# Altium PCB Thermostat_EEM.PCBDOC (part 3 of 10) (continued)
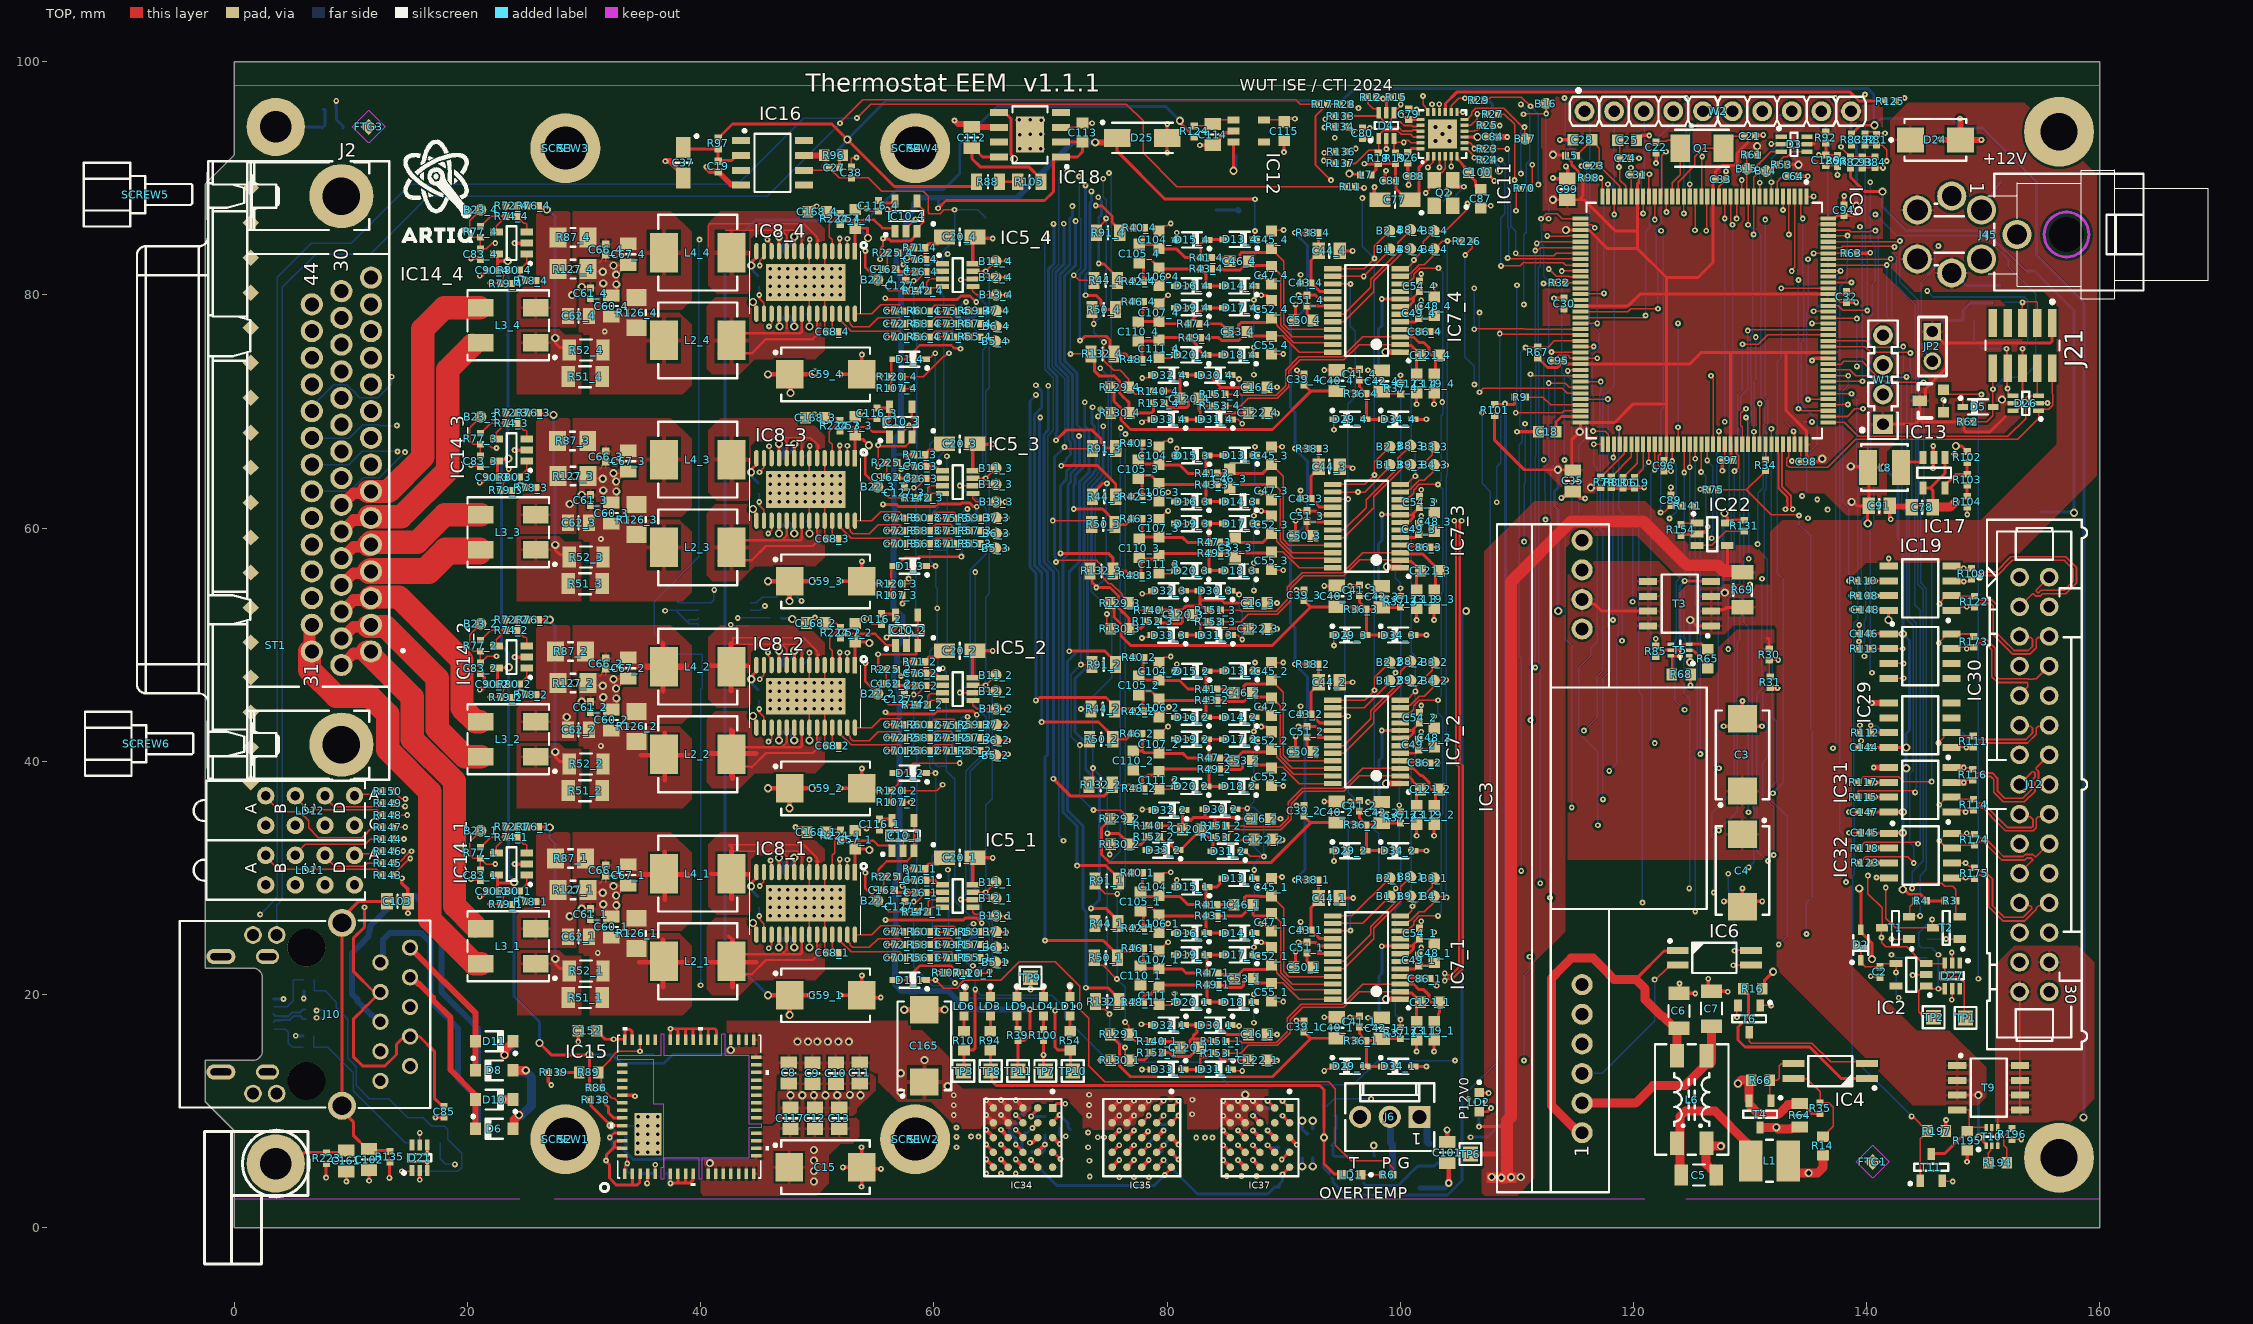
[diagram p0: TOP view]
## Part data (continued)
R51_1 R51_2 R51_3 R51_4 R52_1 R52_2 R52_3 R52_4: library part R1206_0R1_1%_0.25W_100PPM_YAGEO_PT, "Resistor - 1%", Case=1206, Manufacturer="YAGEO PHYCOMP", Manufacturer Part Number=PT1206FR-070R1L, Power=0.25W, Tolerance=±1%, Author="CERN DEM JMW", ComponentHeight=0.65mm, Component Type=Standard, CreateDate=06/07/2015, HelpURL=\\cern.ch\dfs\Applications\Altium\Datasheets\R1206_YAGEO_PT.pdf, LatestRevisionDate=06/07/2015, Mounted=Yes, Part Description="Current Sensor, Low TCR Chip Resistor", Part Number=R1206_0R1_1%_0.25W_100PPM_YAGEO_PT, Pin Count=2, PressFit=No, Sense=No, SMD=Yes, Socket=No, Status=None, TC=±100ppm/°C
R64 R88 R105: library part R0805_10R_1%_0.125W_200PPM, "Resistor - 1%", Case=0805, Manufacturer=GENERIC, Manufacturer1 ComponentHeight=0.6mm, Manufacturer1 Example="NIC COMPONENT", Manufacturer1 Part Number=NRC10F10R0TRF, Power=0.125W, Tolerance=±1%, Author="CERN DEM JLC", Component Type=Standard, CreateDate=03.12.2007, HelpURL=\\cern.ch\dfs\Applications\Altium\Datasheets\R0805_NIC_NRC.pdf, LatestRevisionDate=24.06.2009, Manufacturer Part Number=R0805_10R_1%_0.125W_200PPM, Mounted=Yes, Part Description="General Purpose Thick Film Chip Resistor", Part Number=R0805_10R_1%_0.125W_200PPM, Pin Count=2, PressFit=No, Sense=No, SMD=Yes, Socket=No, Status=Preferred, TC=±200ppm/°C
R69: library part R1206_0R005_1%_1W_100PPM_TT_LRMAM1206, "Resistor - 1%", Case=1206, Manufacturer="TT Electronics", Manufacturer Part Number=LRMAM1206-R005FT5, Power=1W, Tolerance=±1%, Author="CERN DEM BC", Component Type=Standard, ComponentHeight=0.8mm, CreateDate=29.07.2015, HelpURL="\\cern.ch\dfs\Applications\Altium\Datasheets\R1206_TT ELECTRONICS_LRMA.pdf", LatestRevisionDate=29.07.2015, Mounted=Yes, Part Description="Low Value Metal Alloy Resistor", Part Number=R1206_0R005_1%_1W_100PPM_TT_LRMAM1206, Pin Count=2, PressFit=No, Sense=No, SMD=Yes, Socket=No, Status="Not Recommended", TC=±100ppm/°C
R73: library part R0603_24K_1%_0.1W_100PPM, "Resistor - 1%", Case=0603, Manufacturer=GENERIC, Manufacturer1 ComponentHeight=0.55mm, Manufacturer1 Example="NIC COMPONENT", Manufacturer1 Part Number=NRC06F2402TRF, Power=0.1W, Tolerance=±1%, Author="CERN DEM JLC", Component Type=Standard, CreateDate=03.12.2007, HelpURL=\\cern.ch\dfs\Applications\Altium\Datasheets\R0603_NIC_NRC.pdf, LatestRevisionDate=13.03.2008, Manufacturer Part Number=R0603_24K_1%_0.1W_100PPM, Mounted=Yes, Part Description="General Purpose Thick Film Chip Resistor", Part Number=R0603_24K_1%_0.1W_100PPM, Pin Count=2, Sense=No, SMD=Yes, Socket=No, Status=Preferred, TC=±100ppm/°C
R81 R92 R142_1 R142_2 R142_3 R142_4: library part R0402_1K6_1%_0.0625W_100PPM, "Resistor - 1%", Case=0402, Manufacturer=GENERIC, Manufacturer1 ComponentHeight=0.4mm, Manufacturer1 Example="YAGEO PHYCOMP", Manufacturer1 Part Number=232270671602L, Power=0.0625W, Tolerance=±1%, Author="CERN DEM JLC", Component Type=Standard, CreateDate=03.12.2007, HelpURL=\\cern.ch\dfs\Applications\Altium\Datasheets\R0402_Phycomp_RC0402.pdf, LatestRevisionDate=17.10.2012, Manufacturer Part Number=R0402_1K6_1%_0.0625W_100PPM, Mounted=Yes, Part Description="General Purpose Thick Film Chip Resistor", Part Number=R0402_1K6_1%_0.0625W_100PPM, Pin Count=2, PressFit=No, Sense=No, SMD=Yes, Socket=No, Status="Not Recommended", TC=±100ppm/°C
R86 R121: library part R0402_10k_1%_0.0625W_100PPM, "Resistor - 1%", Case=0402, Manufacturer=GENERIC, Manufacturer1 ComponentHeight=0.4mm, Manufacturer1 Example="YAGEO PHYCOMP", Manufacturer1 Part Number=232270671003L, Manufacturer Part Number=R0402_10K_1%_0.0625W_100PPM, Power=0.0625W, Tolerance=±1%, Author="CERN DEM JLC", Component Type=Standard, CreateDate=03.12.2007, HelpURL=\\cern.ch\dfs\Applications\Altium\Datasheets\R0402_Phycomp_RC0402.pdf, LatestRevisionDate=17.10.2012, Mounted=Yes, Part Description="General Purpose Thick Film Chip Resistor", Part Number=R0402_10K_1%_0.0625W_100PPM, Pin Count=2, PressFit=No, Sense=No, SMD=Yes, Socket=No, Status="Not Recommended", TC=±100ppm/°C
R87_1 R87_2 R87_3 R87_4 R126_1 R126_2 R126_3 R126_4 R127_1 R127_2 R127_3 R127_4: library part R1206_0R_JUMPER_SEI_HCJ, "Resistor", Case=1206, Manufacturer="SEI (STACKPOLE ELECTRONICS INC.)", Manufacturer Part Number=HCJ1206ZT0R00, Author="CERN DEM MR", Component Type=Standard, ComponentHeight=0.8mm, CreateDate=20.02.2018, HelpURL=\\cern.ch\dfs\Applications\Altium\Datasheets\R1206_SEI_HCJ.pdf, LatestRevisionDate=20.02.2018, Mounted=Yes, Part Description="38.7A (0.0005R Max DC Resistance) Zero Ohm Jumper", Part Number=R1206_0R_JUMPER_SEI_HCJ, Pin Count=2, PressFit=No, Sense=No, SMD=Yes, Socket=No, Status="Not Recommended"
R89: library part R0603_1K8_1%_0.1W_100PPM, "Resistor - 1%", Case=0603, Manufacturer=GENERIC, Manufacturer1 ComponentHeight=0.55mm, Manufacturer1 Example="NIC COMPONENT", Manufacturer1 Part Number=NRC06F1801TRF, Power=0.1W, Tolerance=±1%, Author="CERN DEM JLC", Component Type=Standard, CreateDate=03.12.2007, HelpURL=\\cern.ch\dfs\Applications\Altium\Datasheets\R0603_NIC_NRC.pdf, LatestRevisionDate=13.03.2008, Manufacturer Part Number=R0603_1K8_1%_0.1W_100PPM, Mounted=Yes, Part Description="General Purpose Thick Film Chip Resistor", Part Number=R0603_1K8_1%_0.1W_100PPM, Pin Count=2, PressFit=No, Sense=No, SMD=Yes, Socket=No, Status=Preferred, TC=±100ppm/°C
R95 R98: library part R0402_1K5_1%_0.0625W_100PPM, "Resistor - 1%", Case=0402, Manufacturer=GENERIC, Manufacturer1 ComponentHeight=0.4mm, Manufacturer1 Example="YAGEO PHYCOMP", Manufacturer1 Part Number=232270671502L, Power=0.0625W, Tolerance=±1%, Author="CERN DEM JLC", Component Type=Standard, HelpURL=\\cern.ch\dfs\Applications\Altium\Datasheets\R0402_Phycomp_RC0402.pdf, Manufacturer Part Number=R0402_1K5_1%_0.0625W_100PPM, Mounted=Yes, Part Description="General Purpose Thick Film Chip Resistor", Part Number=R0402_1K5_1%_0.0625W_100PPM, Pin Count=2, PressFit=No, Sense=No, SMD=Yes, Socket=No, Status="Not Recommended", TC=±100ppm/°C
  R95: CreateDate=03.12.2007, LatestRevisionDate=17.10.2012
  R98: CreateDate=03/12/2007, LatestRevisionDate=17/10/2012
R102: library part R0402_240K_1%_0.0625W_100PPM, "Resistor - 1%", Case=0402, Manufacturer=GENERIC, Manufacturer1 ComponentHeight=0.4mm, Manufacturer1 Example="YAGEO PHYCOMP", Manufacturer1 Part Number=232270672404L, Power=0.0625W, Tolerance=±1%, Author="CERN DEM JLC", Component Type=Standard, CreateDate=03.12.2007, HelpURL=\\cern.ch\dfs\Applications\Altium\Datasheets\R0402_Phycomp_RC0402.pdf, LatestRevisionDate=17.10.2012, Manufacturer Part Number=R0402_240K_1%_0.0625W_100PPM, Mounted=Yes, Part Description="General Purpose Thick Film Chip Resistor", Part Number=R0402_240K_1%_0.0625W_100PPM, Pin Count=2, PressFit=No, Sense=No, SMD=Yes, Socket=No, Status="Not Recommended", TC=±100ppm/°C
R104: library part R0402_2K_1%_0.0625W_100PPM, "Resistor - 1%", Case=0402, Manufacturer=GENERIC, Manufacturer1 ComponentHeight=0.4mm, Manufacturer1 Example="YAGEO PHYCOMP", Manufacturer1 Part Number=232270672002L, Power=0.0625W, Tolerance=±1%, Author="CERN DEM JLC", Component Type=Standard, CreateDate=03.12.2007, HelpURL=\\cern.ch\dfs\Applications\Altium\Datasheets\R0402_Phycomp_RC0402.pdf, LatestRevisionDate=17.10.2012, Manufacturer Part Number=R0402_2K_1%_0.0625W_100PPM, Mounted=Yes, Part Description="General Purpose Thick Film Chip Resistor", Part Number=R0402_2K_1%_0.0625W_100PPM, Pin Count=2, PressFit=No, Sense=No, SMD=Yes, Socket=No, Status="Not Recommended", TC=±100ppm/°C
R107_1 R107_2 R107_3 R107_4 R128 R138: library part R0402_100K_1%_0.0625W_100PPM, "Resistor - 1%", Case=0402, Manufacturer=GENERIC, Manufacturer1 ComponentHeight=0.4mm, Manufacturer1 Example="YAGEO PHYCOMP", Manufacturer1 Part Number=232270671004L, Power=0.0625W, Tolerance=±1%, Author="CERN DEM JLC", Component Type=Standard, CreateDate=03.12.2007, HelpURL=\\cern.ch\dfs\Applications\Altium\Datasheets\R0402_Phycomp_RC0402.pdf, LatestRevisionDate=17.10.2012, Manufacturer Part Number=R0402_100K_1%_0.0625W_100PPM, Mounted=Yes, Part Description="General Purpose Thick Film Chip Resistor", Part Number=R0402_100K_1%_0.0625W_100PPM, Pin Count=2, PressFit=No, Sense=No, SMD=Yes, Socket=No, Status="Not Recommended", TC=±100ppm/°C
R108 R109 R110 R111 R112 R113 R114 R115 R116 R117 R118 R122 R123 R131 R139 R173 R174 R175: library part R0402_100R_1%_0.0625W_100PPM, "Resistor - 1%", Case=0402, Manufacturer=GENERIC, Manufacturer1 ComponentHeight=0.4mm, Manufacturer1 Example="YAGEO PHYCOMP", Manufacturer1 Part Number=232270671001L, Power=0.0625W, Tolerance=±1%, Author="CERN DEM JLC", Component Type=Standard, CreateDate=03.12.2007, HelpURL=\\cern.ch\dfs\Applications\Altium\Datasheets\R0402_Phycomp_RC0402.pdf, LatestRevisionDate=17.10.2012, Manufacturer Part Number=R0402_100R_1%_0.0625W_100PPM, Mounted=Yes, Part Description="General Purpose Thick Film Chip Resistor", Part Number=R0402_100R_1%_0.0625W_100PPM, Pin Count=2, PressFit=No, Sense=No, SMD=Yes, Socket=No, Status="Not Recommended", TC=±100ppm/°C
R129_1 R129_2 R129_3 R129_4 R130_1 R130_2 R130_3 R130_4: library part R0603_0R_JUMPER, "Resistor", Case=0603, Manufacturer=GENERIC, Manufacturer1 ComponentHeight=0.55mm, Manufacturer1 Example="NIC COMPONENT", Manufacturer1 Part Number=NRC06Z0, Author="CERN DEM JLC", Component Type=Standard, CreateDate=03.12.2007, HelpURL=\\cern.ch\dfs\Applications\Altium\Datasheets\R0603_NIC_NRC.pdf, LatestRevisionDate=13.03.2008, Manufacturer Part Number=R0603_0R_JUMPER, Mounted=Yes, Part Description="1A (0.05R Max DC Resistance) Zero Ohm Jumper", Part Number=R0603_0R_JUMPER, Pin Count=2, PressFit=No, Sense=No, SMD=Yes, Socket=No, Status=Preferred
R135 R220 R223 R226 R227 R228 R229 R230: library part R0402_0R_JUMPER, "Resistor", Case=0402, Manufacturer=GENERIC, Manufacturer1 ComponentHeight=0.4mm, Manufacturer1 Example="YAGEO PHYCOMP", Manufacturer1 Part Number=232270591001L, Author="CERN DEM JLC", Component Type=Standard, CreateDate=03.12.2007, HelpURL=\\cern.ch\dfs\Applications\Altium\Datasheets\R0402_Phycomp_RC0402.pdf, LatestRevisionDate=17.10.2012, Manufacturer Part Number=R0402_0R_JUMPER, Mounted=Yes, Part Description="1A (0.05R Max DC Resistance) Zero Ohm Jumper", Part Number=R0402_0R_JUMPER, Pin Count=2, PressFit=No, Sense=No, SMD=Yes, Socket=No, Status="Not Recommended"
R140_1 R140_2 R140_3 R140_4 R151_1 R151_2 R151_3 R151_4 R152_1 R152_2 R152_3 R152_4 R153_1 R153_2 R153_3 R153_4: library part R0402_270R_1%_0.0625W_100PPM, "Resistor - 1%", Case=0402, Manufacturer=GENERIC, Manufacturer1 ComponentHeight=0.4mm, Manufacturer1 Example="YAGEO PHYCOMP", Manufacturer1 Part Number=232270672701L, Power=0.0625W, Tolerance=±1%, Author="CERN DEM JLC", Component Type=Standard, CreateDate=03.12.2007, HelpURL=\\cern.ch\dfs\Applications\Altium\Datasheets\R0402_Phycomp_RC0402.pdf, LatestRevisionDate=17.10.2012, Manufacturer Part Number=R0402_270R_1%_0.0625W_100PPM, Mounted=Yes, Part Description="General Purpose Thick Film Chip Resistor", Part Number=R0402_270R_1%_0.0625W_100PPM, Pin Count=2, PressFit=No, Sense=No, SMD=Yes, Socket=No, Status="Not Recommended", TC=±100ppm/°C
R219 R221 R231: library part R0402_162K_1%_0.063W_100PPM, "Resistor - 1%", Case=0402, Manufacturer=GENERIC, Manufacturer1 ComponentHeight=0.4mm, Manufacturer1 Example=VISHAY, Manufacturer1 Part Number=CRCW0402162KFK, Power=0.063W, Tolerance=±1%, Author="CERN DEM BC", Component Type=Standard, CreateDate=17.11.2020, HelpURL="\\cern.ch\dfs\Applications\Altium\Datasheets\R0402_VISHAY_CRCW e3.pdf", LatestRevisionDate=17.11.2020, Manufacturer Part Number=R0402_162K_1%_0.063W_100PPM, Mounted=Yes, Part Description="General Purpose Thick Film Chip Resistor", Part Number=R0402_162K_1%_0.063W_100PPM, Pin Count=2, PressFit=No, Sense=No, SMD=Yes, Socket=No, Status=None, TC=±100ppm/°C
R222: library part R0603_2K74_0.1%_0.063W_10PPM, "Resistor - 0.1%", Case=0603, Manufacturer=GENERIC, Manufacturer1 ComponentHeight=0.5mm, Manufacturer1 Example="TYCO HOLSWORTHY", Manufacturer1 Part Number=RN73C1J2K74BTDF, Power=0.063W, Tolerance=±0.1%, Author="CERN DEM JLC", Component Type=Standard, CreateDate=03.12.2007, HelpURL=\\cern.ch\dfs\Applications\Altium\Datasheets\R0603_Tyco_RN73.pdf, LatestRevisionDate=13.03.2008, Manufacturer Part Number=R0603_2K74_0.1%_0.063W_10PPM, Mounted=Yes, Part Description="Thin Film Chip Resistor", Part Number=R0603_2K74_0.1%_0.063W_10PPM, Pin Count=2, PressFit=No, Sense=No, SMD=Yes, Socket=No, Status="Not Recommended", TC=±10ppm
R224_1 R224_2 R224_3 R224_4: library part R0402_0R_Jumper, "Resistor", Case=0402, Manufacturer=GENERIC, Manufacturer1 ComponentHeight=0.4mm, Manufacturer1 Example="YAGEO PHYCOMP", Manufacturer1 Part Number=232270591001L, Manufacturer Part Number=R0402_0R_JUMPER, Author="CERN DEM JLC", Component Type=Standard, CreateDate=03.12.2007, HelpURL=\\cern.ch\dfs\Applications\Altium\Datasheets\R0402_Phycomp_RC0402.pdf, LatestRevisionDate=17.10.2012, Mounted=Yes, Part Description="1A (0.05R Max DC Resistance) Zero Ohm Jumper", Part Number=R0402_0R_JUMPER, Pin Count=2, PressFit=No, Sense=No, SMD=Yes, Socket=No, Status="Not Recommended"
S1 S2 S3 S4: library part "WA-SMSI,  9774050151", "WA-SMSI SMD Steel Spacer with internal Thread", Manufacturer="Wurth Elektronik", ComponentLink1Description=Manufacturer, ComponentLink1URL=http://www.we-online.de, ComponentLink2Description=Datasheet, ComponentLink2URL=http://katalog.we-online.de/em/datasheet/9774050151.pdf, Created by="Baojun Chen", Created Date=20.Oct.2015, Manufacturer Part Number=9774050151
SCREW1 SCREW2 SCREW3 SCREW4: library part BOSSARD_BN5687-3061597_h, "Screw", Manufacturer=BOSSARD, Manufacturer Part Number="BN15857 Art.3108702", Author="CERN DEM JLC", Component Type=Mechanical, ComponentHeight=5mm, CreateDate=30.05.2013, HelpURL=\\cern.ch\dfs\Applications\Altium\Datasheets\BOSSARD_BN5687-3061597.pdf, LatestRevisionDate=30.05.2013, Mounted=Yes, PackageDescription="M2.5 L=6mm Hexalobular Socket Pan Head Screw, Fully Threaded - Stainless Steel A2", Part Description="M2.5 L=6mm Hexalobular Socket Pan Head Screw, Fully Threaded, Stainless Steel A2", Part Number=BOSSARD_BN5687-3061597_h, Pin Count=0, PressFit=No, Sense=No, SMD=No, Socket=No, Status=None
SCREW5 SCREW6: library part 3M_3341-31, "Female Screw Lock", Manufacturer=HARTING, Author=GK, Component Type=Mechanical, ComponentHeight=11mm, CreateDate=10.09.2013, HelpURL=\\cern.ch\dfs\Applications\Altium\Datasheets\TYCO_749087-2.pdf, LatestRevisionDate=10.09.2013, Manufacturer Part Number=09670009972, Mounted=Yes, PackageDescription="MDR Female Screw Locks, Thread Size: M2.5", Part Description="MDR Female Screw Locks, Thread Size: M2.5", Part Number=09670009972, Pin Count=0, PressFit=No, Sense=No, SMD=No, Socket=No, Status=None
ST1: library part SCHROFF_PANEL_3U_4HP_Thermostat, "Schroff 8HP 3U EUROCARD Panel", Manufacturer=Schroff, Manufacturer Part Number=20848-668
T1 T2 T4 T6 T8 T11: "N-CHANNEL MOSFET WITH DIODE", Case=SOT23-3, Manufacturer="ON SEMICONDUCTOR", Bonding=No, Component Type=Standard, Mounted=Yes, Pin Count=3, PressFit=No, Sense=No, SMD=Yes, Socket=No
  T1 T2 T6 T8 T11: Author="CERN DEM JLC", ComponentHeight=1.11mm, CreateDate=23.03.2009, Device=BSS138LT1G, HelpURL=\\cern.ch\dfs\Applications\Altium\Datasheets\BSS138LT1G.pdf, LatestRevisionDate=23.03.2009, Manufacturer Part Number=BSS138LT1G, PackageDescription="SOT23 3-Leads, Pitch 0.95mm - Body 1.4x3mm, IPC Medium Density", Part Description="50V 200mA N-Channel Enhancement Mode Field-Effect Transistor", Part Number=BSS138LT1G
  T4: Author="CERN DEM BC", ComponentHeight=1.12mm, ComponentLink1Description="Package Drawing", ComponentLink1URL=\\cern.ch\dfs\Applications\Altium\Datasheets\FDN86246_Package.pdf, CreateDate=10.10.2019, Device=FDN86246, HelpURL=\\cern.ch\dfs\Applications\Altium\Datasheets\FDN86246.pdf, LatestRevisionDate=10.10.2019, Manufacturer Part Number=FDN86246, PackageDescription="SOT, 0.95mm, pitch; 3 pin,1.30mm W X 2.92mm L X 1.12mm H body, IPC Medium Density", Part Description="150V 1.6A N-Channel Power Trench® MOSFET", Part Number=FDN86246
T3 T9: "-30V -19.7A P-Channel MOSFET", Case=SOIC8, Manufacturer="VISHAY SILICONIX", Author="CERN DEM MR", Bonding=No, Component Type=Standard, ComponentHeight=1.75mm, CreateDate=05/10/2016, Device=SI4425DDY-T1-GE3, HelpURL=\\cern.ch\dfs\Applications\Altium\Datasheets\SI4425DDY-T1-GE3.pdf, LatestRevisionDate=05/10/2016, Manufacturer Part Number=SI4425DDY-T1-GE3, Mounted=Yes, PackageDescription="SOIC 8, Pitch 1.27mm - Body 4x5mm, IPC Medium Density", Part Description="-30V -19.7A P-Channel MOSFET", Part Number=SI4425DDY-T1-GE3, Pin Count=8, PressFit=No, Sense=No, SMD=Yes, Socket=No
T5 T10: "45V, 100mA PNP General Purpose Double Transistor", Case=SOT666, Manufacturer="NXP SEMICONDUCTORS", Author="CERN DEM JLC", Bonding=No, Component Type=Standard, ComponentHeight=0.6mm, CreateDate=01/12/2011, Device=BC857BV, HelpURL=\\cern.ch\dfs\Applications\Altium\Datasheets\BC857BV.pdf, LatestRevisionDate=01/12/2011, Manufacturer Part Number=BC857BV, Mounted=Yes, PackageDescription="SOTFL (SOT666), 0.50mm, Pitch; 6 Pin, 1.20mm W X 1.60mm L X 0.60mm H Body, IPC Medium Density", Part Description="-45V -100mA PNP General Purpose Double Transistor", Part Number=BC857BV, Pin Count=6, PressFit=No, Sense=No, SMD=Yes, Socket=No
T7: "50V, 180mA P-Channel Trench MOSFET", Case=SOT23-3, Manufacturer="NXP SEMICONDUCTORS", Author="CERN DEM JLC", Bonding=No, Component Type=Standard, ComponentHeight=1.1mm, CreateDate=16.04.2015, Device=BSS84AK, HelpURL=\\cern.ch\dfs\Applications\Altium\Datasheets\BSS84AK.pdf, LatestRevisionDate=16.04.2015, Manufacturer Part Number=BSS84AK, Mounted=Yes, PackageDescription="SOT23, 0.95mm Pitch; 3 Pin, 1.30mm W X 2.90mm L X 1.10mm H body, IPC Medium Density", Part Description="50V, 180mA P-channel Trench MOSFET Transistor", Part Number=BSS84AK, Pin Count=3, PressFit=No, Sense=No, SMD=Yes, Socket=No
TP1 TP2 TP3 TP6 TP7 TP8 TP9 TP10 TP11: library part SMD_PAD_1.27X1.27MM, Author="CERN DEM JLC", Component Type="Standard (No BOM)", ComponentHeight=0mm, CreateDate=12.01.2008, Family="Test Point", HelpURL=Undefined, LatestRevisionDate=12.01.2008, Mounted=No, PackageDescription="1.27mm x 1.27mm PCB Copper Area (SMD Test Point)", Part Description="1.27mm x 1.27mm PCB Copper Area (SMD Test Point)", Part Number=SMD_PAD_1.27X1.27MM, Pin Count=1, Sense=No, SMD=Yes, Socket=No, Status=None
TP4 TP5 TP12 TP13 TP14: library part SMD_PAD_D0.6MM, "Test Point", Author="CERN DEM HF", Component Type="Standard (No BOM)", ComponentHeight=0mm, CreateDate=22.11.2023, Family="SMD Pad", HelpURL=Undefined, LatestRevisionDate=22.11.2023, Mounted=No, PackageDescription="0.6mm Diameter SMD Pad", Part Description="0.6mm Diameter SMD Pad", Part Number=SMD_PAD_D0.6MM, Pin Count=1, Sense=No, SMD=Yes, Socket=No, Status=None
W1: library part SAMTEC_HTSW-104-23-L-S, "4 Mini Wire-Wrap Contact Strip Header", Manufacturer=SAMTEC, Manufacturer Part Number=HTSW-104-23-L-S, Author="CERN DEM JLC", ComponentHeight=8.38mm, Component Type=Standard, CreateDate=22/02/2018, Family="Header 4", HelpURL=\\cern.ch\dfs\Applications\Altium\Datasheets\SAMTEC_HTSW-104-23-L-S.pdf, LatestRevisionDate=22/02/2018, Mounted=Yes, Part Description="4 Contacts, Pitch 2.54mm, Single Row  Through Mount Straight Header (Post Lead 5.84mm, Tail Lead 2.92mm, Insulator 2.54mm)", Part Number=SAMTEC_HTSW-104-23-L-S, Pin Count=4, PressFit=No, Sense=No, SMD=No, Socket=No, Status=Preferred, Status Comment="High Temperature"
W2: library part SAMTEC_MTLW-110-07-L-S-250, "10 Mini Wire-Wrap Contact Strip Header", Manufacturer=SAMTEC, Manufacturer Part Number=MTLW-110-07-L-S-250, Author="CERN DEM JLC", ComponentHeight=7.87mm, Component Type=Standard, CreateDate=01.11.2017, Family="Header 10", HelpURL=\\cern.ch\dfs\Applications\Altium\Datasheets\SAMTEC_MTLW-110-07-L-S-250.pdf, LatestRevisionDate=01.11.2017, Mounted=Yes, Part Description="10 Contacts, Pitch 2.54mm, Single Row Through Mount Straight Header (Post Lead = 6.35mm, Tail Lead 3.05mm, Insulator 1.52mm)", Part Number=SAMTEC_MTLW-110-07-L-S-250, Pin Count=10, PressFit=No, Sense=No, SMD=No, Socket=No, Status=None

## Free pads (board coordinates)
  round 6 hole 3.2: 0(156.5,6) 0(156.5,94)
  rect 1x1 smd rot 135 paste-0.6 mask+0: BAL(1.411,38.197) BAL(1.411,41.197) BAL(1.411,44.197) BAL(1.411,47.197) BAL(1.411,50.197) BAL(1.411,53.197) BAL(1.411,56.197) BAL(1.411,59.197) BAL(1.411,62.197) BAL(1.411,65.197) BAL(1.411,68.197) BAL(1.411,71.197) BAL(1.411,74.197) BAL(1.411,77.197) BAL(1.411,80.197) BAL(1.411,83.197) BAL(1.411,86.197) BAL(1.411,89.197)
  rect 1x1 smd far side rot 135 paste-0.6 mask+0: BAL(16.077,31.304) BAL(16.077,34.304) BAL(16.077,37.304) BAL(16.077,40.304) BAL(16.077,43.304) BAL(16.077,46.304) BAL(16.077,49.304) BAL(16.077,52.304) BAL(16.077,55.304) BAL(16.077,58.304) BAL(16.077,61.304) BAL(16.077,64.304) BAL(16.077,67.304) BAL(16.077,70.304) BAL(16.077,73.304) BAL(16.077,76.304) BAL(16.077,79.304) BAL(16.077,82.304) BAL(16.077,85.304) BAL(19.077,29.804) BAL(19.077,32.804) BAL(19.077,35.804) BAL(19.077,38.804) BAL(19.077,41.804) BAL(19.077,44.804) BAL(19.077,47.804) BAL(19.077,50.804) BAL(19.077,53.804) BAL(19.077,56.804) BAL(19.077,59.804) BAL(19.077,62.804) BAL(19.077,65.804) BAL(19.077,68.804) BAL(19.077,71.804) BAL(19.077,74.804) BAL(19.077,77.804) BAL(19.077,80.804) BAL(19.077,83.804) BAL(19.077,86.804) BAL(29.25,18.102) BAL(29.25,21.102) BAL(29.25,24.102) BAL(29.25,33.102) BAL(29.25,36.102) BAL(29.25,39.102) BAL(29.25,42.102) BAL(29.25,48.102) BAL(29.25,51.102) BAL(29.25,54.102) BAL(29.25,57.102) BAL(29.25,60.102) BAL(29.25,66.102) BAL(29.25,69.102) BAL(29.25,72.102) BAL(29.25,75.102) BAL(29.25,78.102) BAL(32.25,19.602) BAL(32.25,22.602) BAL(32.25,25.602) BAL(32.25,31.602) BAL(32.25,34.602) BAL(32.25,37.602) BAL(32.25,40.602) BAL(32.25,43.602) BAL(32.25,49.602) BAL(32.25,52.602) BAL(32.25,55.602) BAL(32.25,58.602) BAL(32.25,61.602) BAL(32.25,67.602) BAL(32.25,70.602) BAL(32.25,73.602) BAL(35.25,60.102) BAL(35.25,18.102) BAL(35.25,21.102) BAL(35.25,24.102) BAL(35.25,27.102) BAL(35.25,30.102) BAL(35.25,33.102) BAL(35.25,36.102) BAL(35.25,39.102) BAL(35.25,42.102) BAL(35.25,45.102) BAL(35.25,48.102) BAL(35.25,54.102) BAL(35.25,57.102) BAL(35.25,63.102) BAL(35.25,66.102) BAL(35.25,69.102) BAL(35.25,72.102) BAL(35.25,75.102) BAL(35.25,78.102)

## Via types
v1: diameter 0.5, hole 0.2, TOP to BOT, tented both sides, 1027 vias
v2: diameter 0.7, hole 0.4, TOP to BOT, tented both sides, 186 vias
v3: diameter 0.6, hole 0.3, TOP to BOT, tented both sides, 97 vias
v4: diameter 0.6, hole 0.3, TOP to BOT, 81 vias
v5: diameter 0.66, hole 0.33, TOP to BOT, tented both sides, 9 vias

## Nets (pads, with @x,y where several pads share a name; then routed paths per layer and width w, separated by ;. In a path a pad name is that pad's centre, name@x,y a point inside that pad or via, vN(x,y) a via of type N, cw(c..) or ccw(c..) an arc to the next point about the centre after c; other vN are vias at no path point)
\S\H\D\N\0: IC9.89 R120_1.2 | length 104.8
  TOP w0.127: R120_1.2@63.853,21.845 64.508,21.845 64.684,22.022 v1(64.769,22.022) ; v1(125.3,65.95) 125.314,65.964 125.314,67.18 IC9.89@125.328,67.194
  L2 w0.127: v1(64.769,22.022) 74.386,22.022 75.518,20.89 96.297,20.89 98.09,22.683 106.814,22.683 111.258,27.127 v1(125.297,27.127)
  BOT w0.127: v1(125.297,27.127) 125.3,27.13 125.3,40.814 125.463,40.977 125.463,53.249 125.3,53.412 v1(125.3,65.95)
\S\H\D\N\1: IC9.90 R120_2.2 | length 96.7
  TOP w0.127: R120_2.2@57.295,37.494 60.249,37.494 v1(60.75,37.995) ; v1(125.805,64.825) 125.816,64.836 125.816,67.182 IC9.90@125.828,67.194
  L2 w0.127: v1(60.75,37.995) 61.735,38.98 89.181,38.98 89.528,39.328 99.54,39.328 100.801,40.589 125.698,40.589 v1(125.741,40.631)
  BOT w0.127: v1(125.741,40.631) 125.741,60.107 126.181,60.548 126.181,64.449 v1(125.805,64.825)
\S\H\D\N\2: IC9.91 R120_3.2 | length 80.7
  TOP w0.127: R120_3.2@57.295,55.244 57.884,55.244 58.015,55.375 58.015,55.395 57.835,55.576 v1(57.835,55.677) ; v1(126.325,65.818) 126.326,65.82 IC9.91@126.328,67.194 IC9.91@126.328,67.194
  L2 w0.127: v1(57.835,55.677) 73.344,55.677 74.11,56.443 89.395,56.443 90.88,57.928 110.629,57.928 112.391,59.689 113.725,59.689 114.24,60.204 119.116,60.204 120.22,59.1 126.662,59.1 v1(126.706,59.144)
  BOT w0.127: v1(126.325,65.818) 126.817,65.326 126.817,59.83 126.706,59.718 v1(126.706,59.144)
\S\H\D\N\3: IC9.92 R120_4.2 | length 77.6
  TOP w0.127: R120_4.2@57.403,72.974 59.079,72.974 60.849,74.744 60.938,74.744 61.201,75.006 v1(61.299,75.006) ; v1(126.65,73.075) 126.65,72.974 126.828,72.796 IC9.92@126.828,67.194
  TOP w0.254: R120_4.2@57.295,72.994 R120_4.2@57.403,72.994
  L2 w0.127: v1(61.299,75.006) 62.035,75.006 62.098,74.943 67.439,74.943 67.881,75.385 74.171,75.385 75.56,73.996 99.481,73.996 99.922,73.556 100.203,73.556 100.996,72.762 112.441,72.762 112.732,73.054 126.629,73.054 v1(126.65,73.075)
ADC_CLKIO: IC7_1.10 IC7_2.10 IC7_3.10 IC7_4.10 IC9.100 | length 102.8
  TOP w0.127: IC7_1.10@100.021,25.448 100.546,25.448 100.78,25.683 100.85,25.683 101.152,25.985 101.152,26.266 101.634,26.748 v1(103.232,26.748) ; IC7_2.10@100.021,43.948 100.546,43.948 100.78,44.183 100.85,44.183 101.152,44.485 101.152,44.766 101.634,45.248 v1(103.232,45.248) ; IC7_4.10@100.021,80.948 100.546,80.948 100.78,81.183 100.85,81.183 101.152,81.485 101.152,81.766 101.687,82.302 v1(103.285,82.302) ; IC7_3.10@100.546,62.448 100.78,62.683 100.85,62.683 101.152,62.985 101.152,63.266 101.634,63.748 v1(103.232,63.748) ; IC9.100@130.828,67.194 v1(130.828,70.68)
  L2 w0.127: v1(103.607,70.814) 103.617,70.814 103.924,71.12 111.069,71.12 111.562,70.628 118.617,70.628 118.668,70.68 v1(130.828,70.68)
  BOT w0.127: v1(103.232,26.748) 103.232,26.761 103.537,27.066 103.537,35.402 103.639,35.504 103.639,43.751 103.232,44.158 v1(103.232,45.248) 103.232,45.345 103.495,45.608 103.495,54.404 103.639,54.549 103.639,63.341 v1(103.232,63.748) 103.232,63.845 103.495,64.108 103.495,69.633 103.639,69.777 103.639,81.947 v1(103.285,82.302)
ADC_CSn0: B1_1.1 IC7_1.14 IC9.141 | length 103.2
  TOP w0.127: IC7_1.14@94.221,26.098 96.768,26.098 B1_1.1@99.103,28.433 99.103,28.519 99.608,29.024 v1(99.608,29.11) ; IC9.141@136.703,85.069 136.714,85.079 138.342,85.079 v1(138.352,85.09)
  L2 w0.127: v1(99.608,29.11) 123.46,29.11 123.9,29.55 138.134,29.55 v1(138.225,29.642)
  BOT w0.127: v1(138.225,29.642) 138.225,33.512 137.699,34.038 137.699,80.69 138.352,81.344 v1(138.352,85.09)
ADC_CSn1: B1_2.1 IC7_2.14 IC9.142 | length 90.6
  TOP w0.127: IC7_2.14@94.221,44.598 96.909,44.598 99.103,46.792 99.103,47.029 99.587,47.513 v1(99.587,47.61) ; IC9.142@136.703,85.569 138.497,85.569 138.656,85.41 140.324,85.41 140.436,85.522 v1(140.745,85.522)
  L2 w0.127: v1(99.587,47.61) 135.267,47.61 135.443,47.433 140.193,47.433 140.36,47.6 v1(140.461,47.6)
  BOT w0.127: v1(140.461,47.6) 140.294,47.766 140.294,59.842 140.63,60.178 140.63,65.847 140.36,66.118 140.36,69.849 140.381,69.87 140.381,71.008 140.36,71.029 140.36,76.971 140.999,77.611 140.999,85.167 140.745,85.421 v1(140.745,85.522)
ADC_CSn2: B1_3.1 IC7_3.14 IC9.2 | length 71.3
  TOP w0.127: IC7_3.14@94.221,63.098 96.943,63.098 99.103,65.258 B1_3.1@99.103,65.433 ; IC9.2@134.328,88.444 134.328,86.842 134.519,86.651 v1(134.519,86.55)
  L2 w0.127: v1(96.377,63.098) 96.478,63.098 96.723,62.853 101.985,62.853 102.192,63.061 116,63.061 116.297,62.763 v1(134.466,62.763)
  BOT w0.127: v1(134.466,62.763) 134.866,63.163 134.866,66.309 135.75,67.193 135.75,69.301 135.22,69.831 135.185,69.831 134.407,70.608 134.407,75.942 134.594,76.128 134.594,81.462 134.519,81.536 v1(134.519,86.55)
ADC_CSn3: B1_4.1 IC7_4.14 IC9.3 | length 49.5
  TOP w0.127: IC7_4.14@94.221,81.598 v1(96.876,81.598) 99.103,83.825 B1_4.1@99.103,83.933 ; v1(133.58,82.05) 133.58,82.151 133.828,82.399 IC9.3@133.828,88.444
  L2 w0.127: v1(96.876,81.598) 99.583,81.598 99.828,81.353 102.472,81.353 102.726,81.607 114.238,81.607 114.68,82.05 v1(133.58,82.05)
ADC_DIN: B3_1.1 B3_2.1 B3_3.1 B3_4.1 IC7_1.12 IC7_2.12 IC7_3.12 IC7_4.12 IC9.5 | length 107
  TOP w0.127: IC7_1.12@100.021,26.748 100.546,26.748 100.976,27.178 100.976,27.506 102.736,29.266 102.736,29.822 B3_1.1@102.903,29.989 ; IC7_4.12@100.021,82.248 100.546,82.248 101.097,82.799 101.097,82.83 101.203,82.936 v1@101.234,82.936 ; IC7_2.12@100.546,45.248 v1(101.3,46.002) 101.366,46.068 101.366,46.443 102.736,47.813 102.736,48.322 B3_2.1@102.903,48.489 ; IC7_3.12@100.546,63.748 101.339,64.542 101.339,64.889 102.749,66.299 102.749,66.835 B3_3.1@102.903,66.989 ; v1(101.168,83.002) 101.987,83.822 101.987,84.574 B3_4.1@102.903,85.489 103.903,85.489 105.764,87.35 v1(105.764,87.833) ; v1(132.828,87.285) IC9.5@132.828,88.444
  L2 w0.127: v1(105.764,87.833) 105.865,87.833 106.122,88.09 109.814,88.09 110.53,87.374 116.33,87.374 116.556,87.6 125.639,87.6 125.955,87.285 v1(132.828,87.285)
  BOT w0.127: v1(101.047,27.577) 101.001,27.624 101.001,28.018 100.962,28.057 100.962,39.503 101.3,39.84 v1(101.3,46.002) 101.3,49.036 100.962,49.374 100.962,64.111 v1(101.3,64.449) 101.3,66.496 100.962,66.834 100.962,82.797 v1(101.168,83.002)
ADC_DOUT/RDYn: B4_1.1 B4_2.1 B4_3.1 B4_4.1 IC7_1.11 IC7_2.11 IC7_3.11 IC7_4.11 IC9.4 R226.1 | length 108.8
  TOP w0.127: IC7_1.11@100.021,26.098 100.546,26.098 100.78,26.333 100.859,26.333 101.626,27.099 102.063,27.099 B4_1.1@102.903,27.939 ; IC7_4.11@100.021,81.598 100.546,81.598 100.78,81.833 100.859,81.833 101.626,82.599 102.063,82.599 B4_4.1@102.903,83.439 ; IC7_2.11@100.546,44.598 100.78,44.833 100.859,44.833 101.626,45.599 102.063,45.599 B4_2.1@102.903,46.439 ; IC7_3.11@100.546,63.098 100.78,63.333 100.859,63.333 101.626,64.099 102.063,64.099 B4_3.1@102.903,64.939 ; B4_1.1@102.901,28.433 102.948,28.386 103.93,28.386 v1(103.978,28.338) ; B4_2.1@102.901,46.933 102.929,46.962 103.907,46.962 v1(103.935,46.99) ; B4_3.1@102.901,65.433 102.92,65.413 103.915,65.413 v1(103.935,65.393) ; B4_4.1@102.901,83.933 103.595,84.628 v1(104.048,84.628) R226.1@105.302,84.628 ; v1(133.328,85.194) IC9.4@133.328,88.444
  L2 w0.127: v1(104.048,84.628) 108.047,84.628 108.289,84.87 112.188,84.87 112.43,84.628 122.596,84.628 122.699,84.731 132.865,84.731 v1(133.328,85.194)
  BOT w0.127: v1(103.978,28.338) 103.935,28.38 103.956,28.401 103.956,64.449 104.048,64.54 v1(104.048,84.628)
ADC_SCLK: B2_1.1 B2_2.1 B2_3.1 B2_4.1 IC7_1.13 IC7_2.13 IC7_3.13 IC7_4.13 IC9.1 | length 126.7
  TOP w0.127: IC7_1.13@94.221,26.748 95.862,26.748 B2_1.1@99.103,29.989 v1(98.204,29.989) ; IC7_2.13@94.221,45.248 96.936,45.248 97.753,46.066 v1@97.824,46.066 ; IC7_3.13@94.221,63.748 96.97,63.748 97.771,64.549 97.807,64.549 v1(97.789,64.567) 97.789,65.675 B2_3.1@99.103,66.989 ; IC7_4.13@94.221,82.248 96.903,82.248 97.737,83.082 97.84,83.082 v1(97.789,83.134) 97.789,84.175 B2_4.1@99.103,85.489 ; v1(97.789,46.101) 97.789,47.175 B2_2.1@99.103,48.489 ; IC9.1@134.828,88.444 135.439,88.444 v1(135.451,88.455)
  L2 w0.127: v1(96.752,88.309) 104.35,88.309 104.385,88.344 109.919,88.344 110.635,87.628 114.259,87.628 114.653,88.023 135.018,88.023 v1(135.451,88.455)
  BOT w0.127: v1(96.752,88.309) 96.752,84.171 v1(97.789,83.134) v1(97.789,64.567) v1(97.789,46.101) 97.789,34.158 98.144,33.802 v1@98.144,30.023